# KiCad board e-verest.kicad_pcb
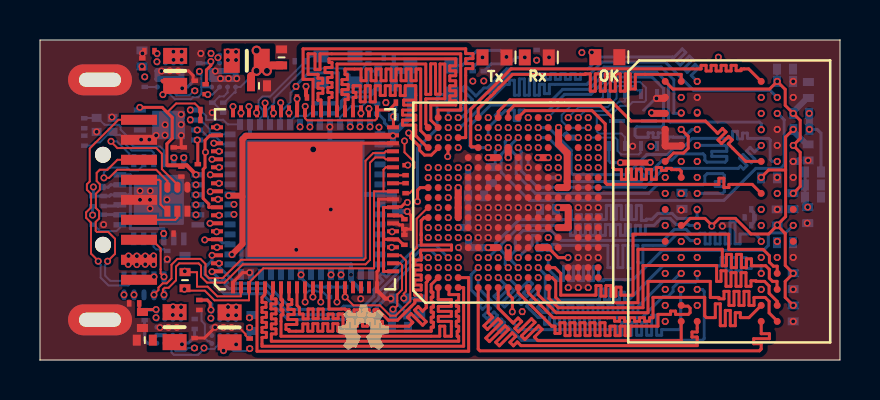
[diagram p0: board, top side]
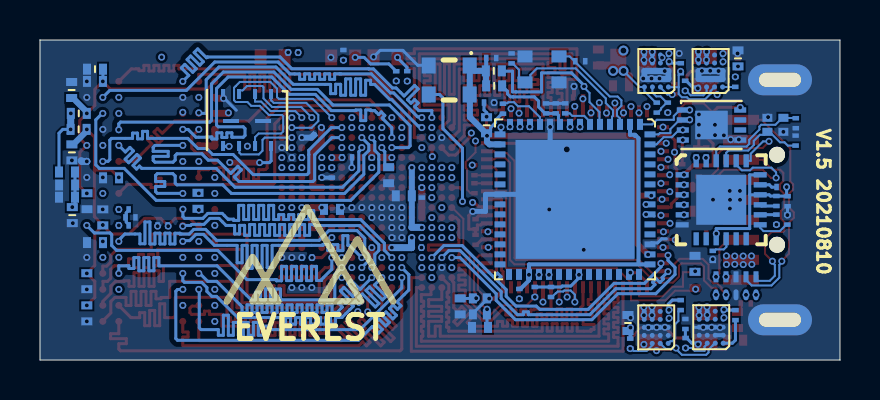
[diagram p1: board, bottom side, seen from below]

Outline 40 x 16 mm; copper layers: Top Layer, InLayer1 (GND), InLayer2 (Signal), InLayer3 (PWR), InLayer4 (GND), Bottom Layer. Coordinates in mm from the lower left corner of the outline.
Outline path: 0,16 40,16 40,0 0,0 0,16

## Placement (name value [footprint] x y rotation side)
C1  4.7u  [SMD0201]  17.54 12.87 0 top
C2  0.1u  [SMD0201]  13.1 13.13 180 top
C3  0.1u  [SMD0201]  17.55 12.87 0 bottom
C4  0.1u  [SMD0201]  18.28 9.49 270 top
C5  0.1u  [SMD0201]  18.28 8.59 90 top
C6  4.7u  [SMD0201]  13.05 13.68 180 bottom
C7  0.1u  [SMD0201]  13.05 13.67 180 top
C8  4.7u  [SMD0201]  16.03 3.3 90 bottom
C9  4.7u  [SMD0201]  14.22 12.58 270 bottom
C10  0.1u  [SMD0201]  14.7 12.58 270 bottom
C11  0.1u  [SMD0201]  2.62 7.94 270 bottom
C12  1u  [SMD0201]  6.36 5.21 270 bottom
C13  0.1u  [SMD0201]  6.69 10.38 90 top
C14  0.1u  [SMD0201]  8.29 15.33 180 top
C15  100n  [SMD0402]  12.08 15.13 270 top
C16  10u  [SMD0402]  10.95 13.71 180 top
C17  0.1u  [SMD0201]  5.47 15.44 180 top
C18  0.1u  [SMD0201]  5.12 14.84 270 top
C19  10u  [SMD0402]  5.1 15.08 270 bottom
C20  0.1u  [SMD0201]  4.71 2.83 180 top
C21  0.1u  [SMD0201]  7.73 1.8 270 bottom
C22  10u  [SMD0402]  5.24 0.99 0 top
C23  0.1u  [SMD0201]  7.97 2.75 270 top
C24  0.1u  [SMD0201]  10.48 1.87 270 top
C25  10u  [SMD0402]  10.6 1.85 270 bottom
C26  10u  [SMD0402]  38.41 10.38 90 bottom
C27  0.1u  [SMD0402]  36.45 9.11 180 bottom
C28  10u  [SMD0402]  37.25 14.54 180 bottom
C29  0.1u  [SMD0402]  37.25 13.93 180 bottom
C30  0.1u  [SMD0201]  25.41 9.37 270 bottom
C31  0.1u  [SMD0201]  26.11 11.44 315 bottom
C32  0.1u  [SMD0402]  21.81 8.21 0 bottom
C33  0.1u  [SMD0201]  35.48 7.13 0 bottom
C34  10u  [SMD0402]  38.39 7.24 270 bottom
C35  0.1u  [SMD0402]  38.65 8.14 0 bottom
C36  10u  [SMD0402]  5.12 2 90 top
C37  0.1u  [SMD0201]  23.87 2.41 0 top
C38  0.1u  [SMD0402]  22.57 9.24 270 bottom
C39  0.1u  [SMD0201]  7.07 9.42 90 top
C40  0.1u  [SMD0402]  7.25 4.81 90 bottom
C48  0.1u  [SMD0201]  27.16 10.12 0 bottom
C49  0.1u  [SMD0201]  25.91 9.37 270 bottom
C50  0.1u  [SMD0402]  25.4 7.53 180 bottom
C51  0.1u  [SMD0201]  22.39 5.87 90 bottom
C52  0.1u  [SMD0201]  24.65 10.13 180 bottom
C53  0.1u  [SMD0201]  26.65 5.12 0 bottom
C54  27p  [SMD0201]  12.99 14.94 180 bottom
C55  0.1u  [SMD0201]  23.41 9.85 270 bottom
C56  0.1u  [SMD0201]  20.91 8.37 270 bottom
C57  0.1u  [SMD0201]  17.44 15.1 180 bottom
C58  0.1u  [SMD0201]  6.43 6.32 0 top
C59  0.1u  [SMD0402]  37.65 7.94 270 bottom
C60  10u  [SMD0402]  38.42 13.5 90 bottom
C61  0.1u  [SMD0402]  32.1 7.96 270 bottom
C63  0.1u  [SMD0201]  33.87 6.73 0 bottom
C64  0.1u  [SMD0402]  36.86 7.13 90 bottom
C65  0.1u  [SMD0402]  37.66 2.33 270 bottom
C66  0.1u  [SMD0402]  37.66 3.94 270 bottom
C67  0.1u  [SMD0201]  24.83 15.25 90 bottom
C68  27p  [SMD0201]  16.42 15.08 270 bottom
C69  18p  [SMD0201]  2.21 11.84 90 bottom
C70  18p  [SMD0402]  18 1.63 0 bottom
C71  18p  [SMD0402]  18.99 2.68 270 bottom
C72  18p  [SMD0201]  2.22 10.97 270 bottom
C73  0.1u  [SMD0201]  21.18 5.62 180 bottom
C74  0.1u  [SMD0201]  18.22 6.01 270 top
DS1  LED 0603  [LED0603]  28.37 15.14 0 top
DS2  LED 0603  [LED0603]  22.72 15.13 0 top
DS3  LED 0603  [LED0603]  24.84 15.13 0 top
FB1  600R/0.5A  [SMD0402]  17.29 13.71 0 bottom
FB2  600R/0.5A  [SMD0402]  17.31 14.46 0 bottom
FB3  600R/0.5A  [SMD0402]  17.67 11.74 90 bottom
FB4  600R/0.5A  [SMD0402]  7.25 3.99 90 top
FB5  600R/0.5A  [SMD0402]  38.07 11.53 180 bottom
FB6  600R/0.5A  [SMD0402]  38.06 12.33 180 bottom
FL1  ECMF04-4HSWM10  [SON50P135X260X55-10N-D]  5.2 3.71 270 bottom
FL2  ECMF02-2AMX6  [SON50P150X170X55-6N-D]  6.87 8.04 90 top
K1  USB  [USB-TYPE-A-3.0]  3 8.01 0 top
L1  0.47u  [SMD0805]  10.34 14.96 0 top
L2  0.47u  [SMD0805]  6.76 14.45 270 top
L3  0.47u  [SMD0805]  6.73 1.64 270 top
L4  0.47u  [SMD0805]  9.48 1.63 270 top
R1  1k  [SMD0402]  38.65 9.4 180 bottom
R2  1k  [SMD0402]  38.65 8.75 180 bottom
R3  51R  [SMD0201]  35.82 7.53 180 bottom
R4  51R  [SMD0201]  35.82 6.73 0 bottom
R5  10k  [SMD0201]  7.77 12.5 0 top
R6  10k  [SMD0201]  7.77 12 0 top
R29  2k  [SMD0201]  7.86 11.25 270 top
R30  10k  [SMD0201#2]  7.89 9.54 270 top
R31  100k  [SMD0201]  7.96 14.59 270 bottom
R32  100k  [SMD0201]  8.28 13.54 90 top
R33  100k  [SMD0201]  9.16 12.62 90 bottom
R34  266.6k  [SMD0201]  8.61 12.62 90 bottom
R35  100k  [SMD0201]  5.24 13.91 270 bottom
R36  1k6  [SMD0201]  27.35 15.38 180 bottom
R37  100k  [SMD0201]  7.74 13.71 90 bottom
R38  145.5k  [SMD0201]  7.74 13.71 270 top
R39  100k  [SMD0201]  5.23 2.24 270 bottom
R40  1k6  [SMD0201]  22.19 14.19 270 bottom
R41  100k  [SMD0201]  7.72 0.85 90 bottom
R42  47k  [SMD0201]  7.73 0.85 270 top
R43  100k  [SMD0201]  7.97 2.74 270 bottom
R44  1k6  [SMD0201]  21.64 14.19 270 bottom
R45  100k  [SMD0201]  10.49 0.82 90 bottom
R46  32k  [SMD0201]  10.48 0.82 270 top
R47  100k  [SMD0201]  3.18 7.95 270 bottom
R48  50k  [SMD0201]  3.18 7.02 270 bottom
R49  50k  [SMD0201]  2.92 8.65 0 bottom
R50  50k  [SMD0201]  2.63 7.02 90 bottom
R52  12k  [SMD0201]  13.74 12.58 270 bottom
R53  1k  [SMD0201]  14.45 3.4 270 bottom
R54  10k  [SMD0201]  15.26 3.4 270 bottom
R55  1k6  [SMD0201]  18.22 6.79 270 top
R56  4.7k  [SMD0201]  16.85 12.56 90 bottom
R57  12k  [SMD0201]  7.19 10.38 270 top
R58  240R  [SMD0402]  37.25 5.87 0 bottom
U1  IS43TR16512BL-125KB  [*BGA96C80P9X16_1000X1400X140N_IS43TR16512AL-125KBL(PRIMARY)]  34.46 7.93 0 top
U2  LFE5U-85F-8MG285C  [*BGA285N50P18X18_1000X1000X130]  23.66 7.87 90 top
U3  FAN53541  [WLCSP20P4X5]  5.87 13.65 0 bottom
U4  FAN53541  [WLCSP20P4X5]  5.84 0.84 0 bottom
U5  FAN53541  [WLCSP20P4X5]  8.59 0.83 0 bottom
U7  FT601Q-B-T  [FT601Q]  13.25 8.03 90 top
U8  FT2232H-56Q  [QFN50P800X800X100-57N-D]  13.25 8.03 270 bottom
U9  USB2422  [QFN-MJ24]  5.94 8.01 180 bottom
U10  GD25Q32CNIGR  [*SON50P300X400X100-9N]  30.4 11.6 270 bottom
U11  FAN53541  [WLCSP20P4X5]  8.58 13.65 0 bottom
U12  93LC46  [*SON50P200X300X100-9N]  6.42 11.75 180 bottom
X1  12Mhz  [CRYSTAL2520]  14.9 14.53 0 bottom
X2  24Mhz  [CRYSTAL1210]  3.23 11.76 180 bottom
X3  30Mhz  [CRYSTAL1210]  18.01 2.68 90 bottom
Y1  32Mhz  [TY]  19.54 14 0 bottom

## Footprints (pads in the part's own frame, mm; a bottom-side part is the same pattern mirrored in y, then rotated)
*BGA96C80P9X16_1000X1400X140N_IS43TR16512AL-125KBL(PRIMARY)
  round 0.35 smd: A1(-3.2,6) A2(-2.4,6) A3(-1.6,6) A7(1.6,6) A8(2.4,6) A9(3.2,6) B1(-3.2,5.2) B2(-2.4,5.2) B3(-1.6,5.2) B7(1.6,5.2) B8(2.4,5.2) B9(3.2,5.2) C1(-3.2,4.4) C2(-2.4,4.4) C3(-1.6,4.4) C7(1.6,4.4) C8(2.4,4.4) C9(3.2,4.4) D1(-3.2,3.6) D2(-2.4,3.6) D3(-1.6,3.6) D7(1.6,3.6) D8(2.4,3.6) D9(3.2,3.6) E1(-3.2,2.8) E2(-2.4,2.8) E3(-1.6,2.8) E7(1.6,2.8) E8(2.4,2.8) E9(3.2,2.8) F1(-3.2,2) F2(-2.4,2) F3(-1.6,2) F7(1.6,2) F8(2.4,2) F9(3.2,2) G1(-3.2,1.2) G2(-2.4,1.2) G3(-1.6,1.2) G7(1.6,1.2) G8(2.4,1.2) G9(3.2,1.2) H1(-3.2,0.4) H2(-2.4,0.4) H3(-1.6,0.4) H7(1.6,0.4) H8(2.4,0.4) H9(3.2,0.4) J1(-3.2,-0.4) J2(-2.4,-0.43) J3(-1.6,-0.43) J7(1.6,-0.4) J8(2.4,-0.4) J9(3.2,-0.4) K1(-3.2,-1.2) K2(-2.4,-1.2) K3(-1.6,-1.2) K7(1.6,-1.2) K8(2.4,-1.2) K9(3.2,-1.2) L1(-3.2,-2) L2(-2.4,-2) L3(-1.6,-2) L7(1.6,-2) L8(2.4,-2) L9(3.2,-2) M1(-3.2,-2.8) M2(-2.4,-2.8) M3(-1.6,-2.8) M7(1.6,-2.8) M8(2.4,-2.8) M9(3.2,-2.8) N1(-3.2,-3.6) N2(-2.4,-3.6) N3(-1.6,-3.6) N7(1.6,-3.6) N8(2.4,-3.6) N9(3.2,-3.6) P1(-3.2,-4.4) P2(-2.4,-4.4) P3(-1.6,-4.4) P7(1.6,-4.4) P8(2.4,-4.4) P9(3.2,-4.4) R1(-3.2,-5.2) R2(-2.4,-5.2) R3(-1.6,-5.2) R7(1.6,-5.2) R8(2.4,-5.2) R9(3.2,-5.2) T1(-3.2,-6) T2(-2.4,-6) T3(-1.6,-6) T7(1.6,-6) T8(2.4,-6) T9(3.2,-6)
*BGA285N50P18X18_1000X1000X130
  round 0.35 smd: A2(-3.75,4.25) A3(-3.25,4.25) A4(-2.75,4.25) A6(-1.75,4.25) A7(-1.25,4.25) A8(-0.75,4.25) A9(-0.25,4.25) A10(0.25,4.25) A11(0.75,4.25) A12(1.25,4.25) A13(1.75,4.25) A15(2.75,4.25) A16(3.25,4.25) A17(3.75,4.25) B1(-4.25,3.75) B2(-3.75,3.75) B3(-3.25,3.75) B4(-2.75,3.75) B6(-1.75,3.75) B7(-1.25,3.75) B8(-0.75,3.75) B9(-0.25,3.75) B10(0.25,3.75) B11(0.75,3.75) B12(1.25,3.75) B13(1.75,3.75) B15(2.75,3.75) B16(3.25,3.75) B17(3.75,3.75) B18(4.25,3.75) C1(-4.25,3.25) C2(-3.75,3.25) C3(-3.25,3.25) C4(-2.75,3.25) C6(-1.75,3.25) C7(-1.25,3.25) C8(-0.75,3.25) C9(-0.25,3.25) C10(0.25,3.25) C11(0.75,3.25) C12(1.25,3.25) C13(1.75,3.25) C15(2.75,3.25) C16(3.25,3.25) C17(3.75,3.25) C18(4.25,3.25) D1(-4.25,2.75) D2(-3.75,2.75) D3(-3.25,2.75) D4(-2.75,2.75) D6(-1.75,2.75) D7(-1.25,2.75) D8(-0.75,2.75) D9(-0.25,2.75) D10(0.25,2.75) D11(0.75,2.75) D12(1.25,2.75) D13(1.75,2.75) D15(2.75,2.75) D16(3.25,2.75) D17(3.75,2.75) D18(4.25,2.75) E5(-2.25,2.25) E6(-1.75,2.25) E7(-1.25,2.25) E8(-0.75,2.25) E9(-0.25,2.25) E10(0.25,2.25) E11(0.75,2.25) E12(1.25,2.25) E13(1.75,2.25) E14(2.25,2.25) F1(-4.25,1.75) F2(-3.75,1.75) F3(-3.25,1.75) F4(-2.75,1.75) F5(-2.25,1.75) F6(-1.75,1.75) F7(-1.25,1.75) F8(-0.75,1.75) F9(-0.25,1.75) F10(0.25,1.75) F11(0.75,1.75) F12(1.25,1.75) F13(1.75,1.75) F14(2.25,1.75) F15(2.75,1.75) F16(3.25,1.75) F17(3.75,1.75) F18(4.25,1.75) G1(-4.25,1.25) G2(-3.75,1.25) G3(-3.25,1.25) G4(-2.75,1.25) G5(-2.25,1.25) G6(-1.75,1.25) G7(-1.25,1.25) G8(-0.75,1.25) G9(-0.25,1.25) G10(0.25,1.25) G11(0.75,1.25) G12(1.25,1.25) G13(1.75,1.25) G14(2.25,1.25) G15(2.75,1.25) G16(3.25,1.25) G17(3.75,1.25) G18(4.25,1.25) H1(-4.25,0.75) H2(-3.75,0.75) H3(-3.25,0.75) H4(-2.75,0.75) H5(-2.25,0.75) H6(-1.75,0.75) H7(-1.25,0.75) H8(-0.75,0.75) H9(-0.25,0.75) H10(0.25,0.75) H11(0.75,0.75) H12(1.25,0.75) H13(1.75,0.75) H14(2.25,0.75) H15(2.75,0.75) H16(3.25,0.75) H17(3.75,0.75) H18(4.25,0.75) J1(-4.25,0.25) J2(-3.75,0.25) J3(-3.25,0.25) J4(-2.75,0.25) J5(-2.25,0.25) J6(-1.75,0.25) J7(-1.25,0.25) J8(-0.75,0.25) J9(-0.25,0.25) J10(0.25,0.25) J11(0.75,0.25) J12(1.25,0.25) J13(1.75,0.25) J14(2.25,0.25) J15(2.75,0.25) J16(3.25,0.25) J17(3.75,0.25) J18(4.25,0.25) K1(-4.25,-0.25) K2(-3.75,-0.25) K3(-3.25,-0.25) K4(-2.75,-0.25) K5(-2.25,-0.25) K6(-1.75,-0.25) K7(-1.25,-0.25) K8(-0.75,-0.25) K9(-0.25,-0.25) K10(0.25,-0.25) K11(0.75,-0.25) K12(1.25,-0.25) K13(1.75,-0.25) K14(2.25,-0.25) K15(2.75,-0.25) K16(3.25,-0.25) K17(3.75,-0.25) K18(4.25,-0.25) L1(-4.25,-0.75) L2(-3.75,-0.75) L3(-3.25,-0.75) L4(-2.75,-0.75) L5(-2.25,-0.75) L6(-1.75,-0.75) L7(-1.25,-0.75) L8(-0.75,-0.75) L9(-0.25,-0.75) L10(0.25,-0.75) L11(0.75,-0.75) L12(1.25,-0.75) L13(1.75,-0.75) L14(2.25,-0.75) L15(2.75,-0.75) L16(3.25,-0.75) L17(3.75,-0.75) L18(4.25,-0.75) M1(-4.25,-1.25) M2(-3.75,-1.25) M3(-3.25,-1.25) M4(-2.75,-1.25) M5(-2.25,-1.25) M6(-1.75,-1.25) M7(-1.25,-1.25) M8(-0.75,-1.25) M9(-0.25,-1.25) M10(0.25,-1.25) M11(0.75,-1.25) M12(1.25,-1.25) M13(1.75,-1.25) M14(2.25,-1.25) M15(2.75,-1.25) M16(3.25,-1.25) M17(3.75,-1.25) M18(4.25,-1.25) N1(-4.25,-1.75) N2(-3.75,-1.75) N3(-3.25,-1.75) N4(-2.75,-1.75) N5(-2.25,-1.75) N6(-1.75,-1.75) N7(-1.25,-1.75) N8(-0.75,-1.75) N9(-0.25,-1.75) N10(0.25,-1.75) N11(0.75,-1.75) N12(1.25,-1.75) N13(1.75,-1.75) N14(2.25,-1.75) N15(2.75,-1.75) N16(3.25,-1.75) N17(3.75,-1.75) N18(4.25,-1.75) P5(-2.25,-2.25) P6(-1.75,-2.25) P7(-1.25,-2.25) P8(-0.75,-2.25) P9(-0.25,-2.25) P10(0.25,-2.25) P11(0.75,-2.25) P12(1.25,-2.25) P13(1.75,-2.25) P14(2.25,-2.25) R1(-4.25,-2.75) R2(-3.75,-2.75) R3(-3.25,-2.75) R10(0.25,-2.75) R16(3.25,-2.75) R17(3.75,-2.75) R18(4.25,-2.75) T1(-4.25,-3.25) T2(-3.75,-3.25) T3(-3.25,-3.25) T4(-2.75,-3.25) T5(-2.25,-3.25) T6(-1.75,-3.25) T7(-1.25,-3.25) T8(-0.75,-3.25) T9(-0.25,-3.25) T10(0.25,-3.25) T11(0.75,-3.25) T12(1.25,-3.25) T13(1.75,-3.25) T14(2.25,-3.25) T15(2.75,-3.25) T16(3.25,-3.25) T17(3.75,-3.25) T18(4.25,-3.25) U1(-4.25,-3.75) U2(-3.75,-3.75) U3(-3.25,-3.75) U4(-2.75,-3.75) U5(-2.25,-3.75) U6(-1.75,-3.75) U7(-1.25,-3.75) U8(-0.75,-3.75) U9(-0.25,-3.75) U10(0.25,-3.75) U11(0.75,-3.75) U12(1.25,-3.75) U13(1.75,-3.75) U14(2.25,-3.75) U15(2.75,-3.75) U16(3.25,-3.75) U17(3.75,-3.75) U18(4.25,-3.75) V2(-3.75,-4.25) V3(-3.25,-4.25) V4(-2.75,-4.25) V5(-2.25,-4.25) V6(-1.75,-4.25) V7(-1.25,-4.25) V8(-0.75,-4.25) V9(-0.25,-4.25) V10(0.25,-4.25) V11(0.75,-4.25) V12(1.25,-4.25) V13(1.75,-4.25) V14(2.25,-4.25) V15(2.75,-4.25) V16(3.25,-4.25) V17(3.75,-4.25)
*SON50P200X300X100-9N
  rect 0.6x0.27 smd: 1(-1.435,0.75) 2(-1.435,0.25) 3(-1.435,-0.25) 4(-1.435,-0.75) 5(1.435,-0.75) 6(1.435,-0.25) 7(1.435,0.25) 8(1.435,0.75)
  rect 1.625x1.425 smd: 9(0,0)
*SON50P300X400X100-9N
  rect 0.5x0.2 smd: 1(-1.7,1.95) 2(-1.7,1.15) 3(-1.7,0.35) 4(-1.7,-0.45) 5(0.9,-0.45) 6(0.9,0.35) 7(0.9,1.15) 8(0.9,1.95)
  rect 0.2x0.8 smd: 9(-0.35,-0.05) 9(-0.35,1.55)
CRYSTAL1210
  rect 0.5x0.4 smd: 1(-0.4,-0.35) 2(0.4,-0.35) 3(0.4,0.35) 4(-0.4,0.35)
CRYSTAL2520
  rect 0.75x0.6 smd: 1(-0.85,-0.65) 2(0.85,-0.65) 3(0.85,0.65) 4(-0.85,0.65)
FT601Q
  rect 0.6x0.2 smd: 1(-4.4,3.6) 2(-4.4,3.2) 3(-4.4,2.8) 4(-4.4,2.4) 5(-4.4,2) 6(-4.4,1.6) 7(-4.4,1.2) 8(-4.4,0.8) 9(-4.4,0.4) 10(-4.4,0) 11(-4.4,-0.4) 12(-4.4,-0.8) 13(-4.4,-1.2) 14(-4.4,-1.6) 15(-4.4,-2) 16(-4.4,-2.4) 17(-4.4,-2.8) 18(-4.4,-3.2) 19(-4.4,-3.6) 39(4.4,-3.6) 40(4.4,-3.2) 41(4.4,-2.8) 42(4.4,-2.4) 43(4.4,-2) 44(4.4,-1.6) 45(4.4,-1.2) 46(4.4,-0.8) 47(4.4,-0.4) 48(4.4,0) 49(4.4,0.4) 50(4.4,0.8) 51(4.4,1.2) 52(4.4,1.6) 53(4.4,2) 54(4.4,2.4) 55(4.4,2.8) 56(4.4,3.2) 57(4.4,3.6)
  rect 0.2x0.6 smd: 20(-3.6,-4.4) 21(-3.2,-4.4) 22(-2.8,-4.4) 23(-2.4,-4.4) 24(-2,-4.4) 25(-1.6,-4.4) 26(-1.2,-4.4) 27(-0.8,-4.4) 28(-0.4,-4.4) 29(0,-4.4) 30(0.4,-4.4) 31(0.8,-4.4) 32(1.2,-4.4) 33(1.6,-4.4) 34(2,-4.4) 35(2.4,-4.4) 36(2.8,-4.4) 37(3.2,-4.4) 38(3.6,-4.4) 58(3.6,4.4) 59(3.2,4.4) 60(2.8,4.4) 61(2.4,4.4) 62(2,4.4) 63(1.6,4.4) 64(1.2,4.4) 65(0.8,4.4) 66(0.4,4.4) 67(0,4.4) 68(-0.4,4.4) 69(-0.8,4.4) 70(-1.2,4.4) 71(-1.6,4.4) 72(-2,4.4) 73(-2.4,4.4) 74(-2.8,4.4) 75(-3.2,4.4) 76(-3.6,4.4)
  rect 5.75x5.75 smd: 77(0,0)
LED0603
  rect 0.6x0.8 smd: 1(-0.6,0) 2(0.6,0)
QFN50P800X800X100-57N-D
  rect 0.55x0.3 smd: 1(-3.75,3.25) 2(-3.75,2.75) 3(-3.75,2.25) 4(-3.75,1.75) 5(-3.75,1.25) 6(-3.75,0.75) 7(-3.75,0.25) 8(-3.75,-0.25) 9(-3.75,-0.75) 10(-3.75,-1.25) 11(-3.75,-1.75) 12(-3.75,-2.25) 13(-3.75,-2.75) 14(-3.75,-3.25) 29(3.75,-3.3) 30(3.75,-2.8) 31(3.75,-2.3) 32(3.75,-1.8) 33(3.75,-1.3) 34(3.75,-0.8) 35(3.75,-0.3) 36(3.75,0.2) 37(3.75,0.7) 38(3.75,1.2) 39(3.75,1.7) 40(3.75,2.2) 41(3.75,2.7) 42(3.75,3.2)
  rect 0.3x0.55 smd: 15(-3.25,-3.75) 16(-2.75,-3.75) 17(-2.25,-3.75) 18(-1.75,-3.75) 19(-1.25,-3.75) 20(-0.75,-3.75) 21(-0.25,-3.75) 22(0.25,-3.75) 23(0.75,-3.75) 24(1.25,-3.75) 25(1.75,-3.75) 26(2.25,-3.75) 27(2.75,-3.75) 28(3.25,-3.75) 43(3.25,3.75) 44(2.75,3.75) 45(2.25,3.75) 46(1.75,3.75) 47(1.25,3.75) 48(0.75,3.75) 49(0.25,3.75) 50(-0.25,3.75) 51(-0.75,3.75) 52(-1.25,3.75) 53(-1.75,3.75) 54(-2.25,3.75) 55(-2.75,3.75) 56(-3.25,3.75)
  rect 5.95x5.95 smd: 57(0,0)
QFN-MJ24
  rect 0.65x0.265 smd: 1(-1.95,1.25) 2(-1.95,0.75) 3(-1.95,0.25) 4(-1.95,-0.25) 5(-1.95,-0.75) 6(-1.95,-1.25) 13(1.95,-1.25) 14(1.95,-0.75) 15(1.95,-0.25) 16(1.95,0.25) 17(1.95,0.75) 18(1.95,1.25)
  rect 0.265x0.65 smd: 7(-1.25,-1.95) 8(-0.75,-1.95) 9(-0.25,-1.95) 10(0.25,-1.95) 11(0.75,-1.95) 12(1.25,-1.95) 19(1.25,1.95) 20(0.75,1.95) 21(0.25,1.95) 22(-0.25,1.95) 23(-0.75,1.95) 24(-1.25,1.95)
  rect 2.5x2.5 smd: 25(0,0)
SMD0201
  rect 0.225x0.325 smd: 1(-0.25,0) 2(0.25,0)
SMD0201#2
  rect 0.225x0.325 smd: 1(-0.25,0) 2(0.25,-0.09)
SMD0402
  rect 0.4x0.55 smd: 1(-0.4,0) 2(0.4,0)
SMD0805
  rect 0.8x1.2 smd: 1(-0.75,0) 2(0.75,0)
SON50P135X260X55-10N-D
  rect 0.55x0.25 smd: 1(-0.45,1) 2(-0.45,0.5) 3(-0.45,0) 4(-0.45,-0.5) 5(-0.45,-1)
  oval 0.55x0.25 smd: 6(0.45,-1) 7(0.45,-0.5) 8(0.45,0) 9(0.45,0.5) 10(0.45,1)
SON50P150X170X55-6N-D
  rect 0.55x0.3 smd: 1(-0.6,0.5) 2(-0.6,0) 3(-0.6,-0.5)
  oval 0.55x0.3 smd: 4(0.6,-0.5) 5(0.6,0) 6(0.6,0.5)
TY
  rect 0.7x0.8 smd: 1(-1.025,-0.725) 2(1.025,-0.725) 3(1.025,0.725) 4(-1.025,0.725)
USB-TYPE-A-3.0
  round 0.8 hole 0.8 unplated: (0.15,2.25) (0.15,-2.25)
  rect 1.8x0.5 smd: 1(1.95,-4) 2(1.95,-3) 3(1.95,-2) 4(1.95,-1) 5(1.95,0) 6(1.95,1) 7(1.95,2) 8(1.95,3) 9(1.95,4)
  oval 3.2x1.55 hole 2.1x0.7: 10(0,6) 10(0,-6)
WLCSP20P4X5
  round 0.25 smd: A1(0,0) A2(0.4,0) A3(0.8,0) A4(1.2,0) B1(0,-0.4) B2(0.4,-0.4) B3(0.8,-0.4) B4(1.2,-0.4) C1(0,-0.8) C2(0.4,-0.8) C3(0.8,-0.8) C4(1.2,-0.8) D1(0,-1.2) D2(0.4,-1.2) D3(0.8,-1.2) D4(1.2,-1.2) E1(0,-1.6) E2(0.4,-1.6) E3(0.8,-1.6) E4(1.2,-1.6)

## Nets
1.1V: C15.2 C16.2 C31.1 C50.1 C55.1 C56.1 L1.2 R33.2 U2.D8 U2.D9 U2.D10 U2.D11 U2.J4 U2.J5 U2.J14 U2.J15 U2.M4 U2.M15 U2.P7 U2.P9 U2.P11 U11.A4
1.35V: C18.2 C19.2 C52.1 C53.1 C67.1 FB5.1 FB6.1 L2.2 R1.1 R37.2 U2.M5 U2.M14 U2.N5 U2.N14 U3.A4
2.5V: C2.2 C21.2 C22.2 C32.1 C49.1 C51.1 C73.1 L3.2 R41.2 U2.D7 U2.E6 U2.E13 U2.G5 U2.G14 U2.H5 U2.H14 U2.N6 U2.P13 U4.A4 U7.14 U7.49 U7.59 U7.68
3.3V: C11.1 C24.2 C25.2 C30.1 C39.2 C48.1 C57.1 C58.1 FB1.2 FB2.2 FB3.1 L4.2 R5.2 R6.2 R30.2 R45.2 R47.1 R49.1 R53.1 R54.1 R56.1 U2.D12 U2.N13 U2.P14 U2.T14 U5.A4 U7.37 U8.16 U8.36 U8.44 U8.50 U9.1 U9.9 U9.16 U9.18 U10.8 U12.8 Y1.1 Y1.4
GND: C1.1 C2.1 C3.1 C6.1 C7.1 C8.1 C9.1 C10.1 C11.2 C12.2 C13.2 C14.2 C15.1 C16.1 C17.2 C18.1 C19.1 C20.2 C21.1 C22.1 C23.2 C24.1 C25.1 C26.1 C27.1 C28.1 C29.1 C30.2 C31.2 C32.2 C33.1 C34.2 C35.2 C36.1 C37.2 C38.2 C39.1 C40.2 C48.2 C49.2 C50.2 C51.2 C52.2 C53.2 C54.2 C55.2 C56.2 C57.2 C58.2 C59.2 C60.2 C61.2 C63.2 C64.2 C65.2 C66.2 C67.2 C68.1 C69.1 C70.2 C71.2 C72.1 C73.2 C74.1 DS1.2 DS2.2 DS3.2 FL1.3 FL1.8 FL2.3 FL2.4 K1.5 K1.8 K1.10 R2.1 R34.1 R38.1 R42.1 R46.1 R48.2 R50.2 R52.1 R55.2 R57.1 R58.2 U1.A9 U1.B1 U1.B3 U1.B9 U1.D1 U1.D8 U1.E1 U1.E2 U1.E8 U1.F9 U1.G1 U1.G8 U1.G9 U1.J2 U1.J8 U1.L2 U1.M1 U1.M9 U1.P1 U1.P9 U1.T1 U1.T9 U2.B3 U2.B16 U2.E5 U2.E7 U2.E8 U2.E9 U2.E10 U2.E11 U2.E12 U2.E14 U2.F5 U2.F6 U2.F7 U2.F8 U2.F9 U2.F10 U2.F11 U2.F12 U2.F13 U2.F14 U2.G2 U2.G6 U2.G7 U2.G8 U2.G9 U2.G10 U2.G11 U2.G12 U2.G13 U2.G17 U2.H6 U2.H7 U2.H8 U2.H9 U2.H10 U2.H11 U2.H12 U2.H13 U2.J6 U2.J7 U2.J8 U2.J9 U2.J10 U2.J11 U2.J12 U2.J13 U2.K5 U2.K6 U2.K7 U2.K8 U2.K9 U2.K10 U2.K11 U2.K12 U2.K13 U2.K14 U2.L2 U2.L5 U2.L6 U2.L7 U2.L8 U2.L9 U2.L10 U2.L11 U2.L12 U2.L13 U2.L14 U2.L17 U2.M6 U2.M7 U2.M8 U2.M9 U2.M10 U2.M11 U2.M12 U2.M13 U2.N7 U2.N8 U2.N9 U2.N10 U2.N11 U2.N12 U2.P5 U2.P6 U2.P8 U2.P10 U2.P12 U2.R1 U2.R2 U2.R3 U2.R10 U2.T1 U2.T2 U2.T3 U2.T4 U2.T5 U2.T6 U2.T7 U2.T8 U2.T9 U2.T10 U2.T11 U2.T12 U2.T16 U2.U1 U2.U2 U2.U3 U2.U4 U2.U5 U2.U6 U2.U7 U2.U8 U2.U9 U2.U10 U2.U11 U2.U12 U2.U14 U2.V4 U2.V5 U2.V6 U2.V7 U2.V8 U2.V9 U2.V10 U2.V15 U3.B1 U3.B2 U3.B3 U3.B4 U3.C1 U3.C2 U3.C3 U3.C4 U4.B1 U4.B2 U4.B3 U4.B4 U4.C1 U4.C2 U4.C3 U4.C4 U5.B1 U5.B2 U5.B3 U5.B4 U5.C1 U5.C2 U5.C3 U5.C4 U7.1 U7.19 U7.26 U7.29 U7.36 U7.77 U8.10 U8.21 U8.41 U8.45 U8.57 U9.6 U9.25 U10.4 U10.9 U11.B1 U11.B2 U11.B3 U11.B4 U11.C1 U11.C2 U11.C3 U11.C4 U12.5 U12.9 X1.2 X1.4 X2.2 X2.4 X3.2 X3.4 Y1.2
VDD: C26.2 C27.2 C63.1 C64.1 C65.1 C66.1 FB5.2 U1.B2 U1.D9 U1.G7 U1.K2 U1.K8 U1.N1 U1.N9 U1.R1 U1.R9
VDDQ: C28.2 C29.2 C59.1 C60.1 C61.1 FB6.2 U1.A1 U1.A8 U1.C1 U1.C9 U1.D2 U1.E9 U1.F1 U1.H2 U1.H9
CAS#: U1.K3 U2.J3
CK_N: R4.2 U1.K7 U2.F16
CK_P: R3.1 U1.J7 U2.F17
CKE: U1.K9 U2.N4
D1_N: U8.7 U9.2
D1_P: U8.8 U9.3
D2_N: U7.25 U9.4
D2_P: U7.23 U9.5
DML: U1.F2 U2.J17
DMU: U1.D3 U2.G16
DQSL_N: U1.G3 U2.L18
DQSL_P: U1.F3 U2.K17
DQSU_N: U1.B7 U2.H17
DQSU_P: U1.C7 U2.G18
DRAM_A0: U1.N3 U2.H2
DRAM_A1: U1.P7 U2.K2
DRAM_A2: U1.P3 U2.F3
DRAM_A3: U1.N2 U2.J2
DRAM_A4: U1.P8 U2.N2
DRAM_A5: U1.P2 U2.F2
DRAM_A6: U1.R8 U2.N1
DRAM_A7: U1.R2 U2.K1
DRAM_A8: U1.T8 U2.M1
DRAM_A9: U1.R3 U2.F4
DRAM_A10: U1.L7 U2.K3
DRAM_A11: U1.R7 U2.L1
DRAM_A12: U1.N7 U2.M3
DRAM_A13: U1.T3 U2.G1
DRAM_A14: U1.T7 U2.F1
DRAM_A15: U1.M7 U2.G3
DRAM_BA0: U1.M2 U2.M2
DRAM_BA1: U1.N8 U2.N3
DRAM_BA2: U1.M3 U2.L3
DRAM_DL0: U1.F7 U2.H18
DRAM_DL1: U1.G2 U2.J18
DRAM_DL2: U1.E7 U2.K15
DRAM_DL3: U1.F8 U2.M17
DRAM_DL4: U1.H3 U2.K16
DRAM_DL5: U1.H8 U2.L15
DRAM_DL6: U1.E3 U2.M16
DRAM_DL7: U1.H7 U2.K18
DRAM_DU0: U1.D7 U2.G15
DRAM_DU1: U1.C3 U2.H16
DRAM_DU2: U1.C8 U2.J16
DRAM_DU3: U1.C2 U2.D17
DRAM_DU4: U1.A7 U2.F15
DRAM_DU5: U1.A2 U2.F18
DRAM_DU6: U1.B8 U2.D18
DRAM_DU7: U1.A3 U2.C18
FT_BE0: U2.D2 U7.4
FT_BE1: U2.D1 U7.5
FT_BE2: U2.C1 U7.6
FT_BE3: U2.B1 U7.7
FT_CLK: U2.B12 U7.58
FT_D0: U2.C15 U7.40
FT_D1: U2.B15 U7.41
FT_D2: U2.A15 U7.42
FT_D3: U2.A16 U7.43
FT_D4: U2.A17 U7.44
FT_D5: U2.B17 U7.45
FT_D6: U2.B18 U7.46
FT_D7: U2.D16 U7.47
FT_D8: U2.C17 U7.50
FT_D9: U2.C16 U7.51
FT_D10: U2.D15 U7.52
FT_D11: U2.D13 U7.53
FT_D12: U2.C13 U7.54
FT_D13: U2.B13 U7.55
FT_D14: U2.A13 U7.56
FT_D15: U2.A12 U7.57
FT_D16: U2.C12 U7.60
FT_D17: U2.D6 U7.61
FT_D18: U2.C7 U7.62
FT_D19: U2.B7 U7.63
FT_D20: U2.A7 U7.64
FT_D21: U2.A6 U7.65
FT_D22: U2.B6 U7.66
FT_D23: U2.C6 U7.67
FT_D24: U2.A3 U7.69
FT_D25: U2.C3 U7.70
FT_D26: U2.C2 U7.71
FT_D27: U2.D3 U7.72
FT_D28: U2.D4 U7.73
FT_D29: U2.A4 U7.74
FT_D30: U2.C4 U7.75
FT_D31: U2.B4 U7.76
FT_OE: U2.A8 U7.13
FT_RD: U2.C8 U7.12
FT_RST: R54.2 U2.A9 U7.15
FT_RXF: U2.A2 U7.9
FT_TXE: U2.B2 U7.8
FT_WK: U7.16
FT_WR: U2.B9 U7.11
JTAG_TCK: U2.U13 U8.12
JTAG_TDI: U2.T13 U8.13
JTAG_TDO: U2.V14 U8.14
JTAG_TMS: U2.V13 U8.15
NetC1_2: C1.2 FB4.1 U7.3 U7.30 U7.33 U7.39 U7.48
NetC3_2: C3.2 C74.2 FB3.2 U7.20 U7.24 U7.28 U7.38
NetC6_2: C6.2 C7.2 FB2.1 U8.5
NetC8_2: C8.2 U8.2 U8.31 U8.43
NetC9_2: C9.2 C10.2 FB1.1 U8.9
NetC12_1: C12.1 U9.10
NetC13_1: C13.1 U9.23
NetC33_2: C33.2 R3.2 R4.1
NetC40_1: C40.1 FB4.2 U7.2
NetC54_1: C54.1 U8.3 X1.1
NetC68_2: C68.2 U8.4 X1.3
NetC69_2: C69.2 U9.22 X2.3
NetC70_1: C70.1 U7.21 X3.1
NetC71_1: C71.1 U7.22 X3.3
NetC72_2: C72.2 U9.21 X2.1
NetDS1_1: DS1.1 R36.1
NetDS2_1: DS2.1 R44.1
NetDS3_1: DS3.1 R40.1
NetL1_1: L1.1 U11.D3 U11.D4 U11.E3 U11.E4
NetL2_1: L2.1 U3.D3 U3.D4 U3.E3 U3.E4
NetL3_1: L3.1 U4.D3 U4.D4 U4.E3 U4.E4
NetL4_1: L4.1 U5.D3 U5.D4 U5.E3 U5.E4
NetR5_1: R5.1 U8.1 U12.1
NetR6_1: R6.1 U8.56 U12.2
NetR29_1: R29.1 U8.55 U12.3
NetR29_2: R29.2 R30.1 U12.4
NetR32_1: R32.1 U11.A2
NetR33_1: R33.1 R34.2 U11.A3
NetR35_2: R35.2 U3.A1
NetR36_2: R36.2 U2.U15
NetR37_1: R37.1 R38.2 U3.A3
NetR39_2: R39.2 U4.A1
NetR41_1: R41.1 R42.2 U4.A3
NetR43_2: R43.2 U5.A1
NetR45_1: R45.1 R46.2 U5.A3
NetR47_2: R47.2 U9.15
NetR48_1: R48.1 U9.14
NetR49_2: R49.2 U9.17
NetR50_1: R50.1 U9.13
NetR52_2: R52.2 U8.6
NetR53_2: R53.2 U7.10
NetR55_1: R55.1 U7.27
NetR56_2: R56.2 U8.11
NetR57_2: R57.2 U9.24
NetR58_1: R58.1 U1.L8
NetU2_A11: U2.A11 Y1.3
ODT: U1.K1 U2.H4
POK_1.1V: R31.2 U3.A2 U4.A2 U5.A2 U11.A1
QSPI_D2: U2.R18 U10.3
QSPI_D3: U2.N18 U10.7
RAS#: U1.J3 U2.G4
RESET#: U1.T2 U2.H1
RID_N: FL1.6 U7.34
RID_P: FL1.7 U7.35
RxL: R40.2 U8.48
SPI_MISO: U2.T18 U10.2
SPI_MOSI: U2.U18 U10.5
SPI_SCK: U2.U16 U10.6
SPI_SS: U2.U17 U10.1
SSRX_N: FL1.5 K1.3
SSRX_P: FL1.4 K1.1
SSTX_N: FL1.2 K1.9
SSTX_P: FL1.1 K1.7
TO_D_N: C5.2 U7.31
TO_D_P: C4.2 U7.32
TOD_N: C5.1 FL1.9
TOD_P: C4.1 FL1.10
TxL: R44.2 U8.49
U_N: FL2.5 U9.19
U_P: FL2.6 U9.20
UART_RX: U2.C11 U8.33
UART_TX: U2.C10 U8.32
USB_5V: C14.1 C17.1 C20.1 C23.1 C36.2 K1.2 R31.1 R32.2 R35.1 R39.1 R43.1 U3.D1 U3.D2 U3.E1 U3.E2 U4.D1 U4.D2 U4.E1 U4.E2 U5.D1 U5.D2 U5.E1 U5.E2 U11.D1 U11.D2 U11.E1 U11.E2
USBD_N: FL2.2 K1.4
USBD_P: FL2.1 K1.6
VTT_REF: C34.1 C35.1 C37.1 C38.1 R1.2 R2.2 U1.H1 U1.M8 U2.H15 U2.J1
WE#: U1.L3 U2.K4

Pads without a net: U1 J1 J9 L1 L9; U2 A10 B8 B10 B11 C9 H3 L4 L16 M18 N15 N16 N17 R16 R17 T15 T17 V2 V3 V11 V12 V16 V17; U7 17 18; U8 17 18 19 20 22 23 24 25 26 27 28 29 30 34 35 37 38 39 40 42 46 47 51 52 53 54; U9 7 8 11 12; U12 6 7

## Via types
v1: diameter 0.35, hole 0.2, Top Layer to Bottom Layer, 406 vias
v2: diameter 0.2, hole 0.2, Top Layer to Bottom Layer, 1 via
v3: diameter 0.5, hole 0.3, Top Layer to Bottom Layer, 3 vias
v4: diameter 0.45, hole 0.3, Top Layer to Bottom Layer, 1 via
